# KiCad board HPM6E00ADCEVKRevC.kicad_pcb (continued)
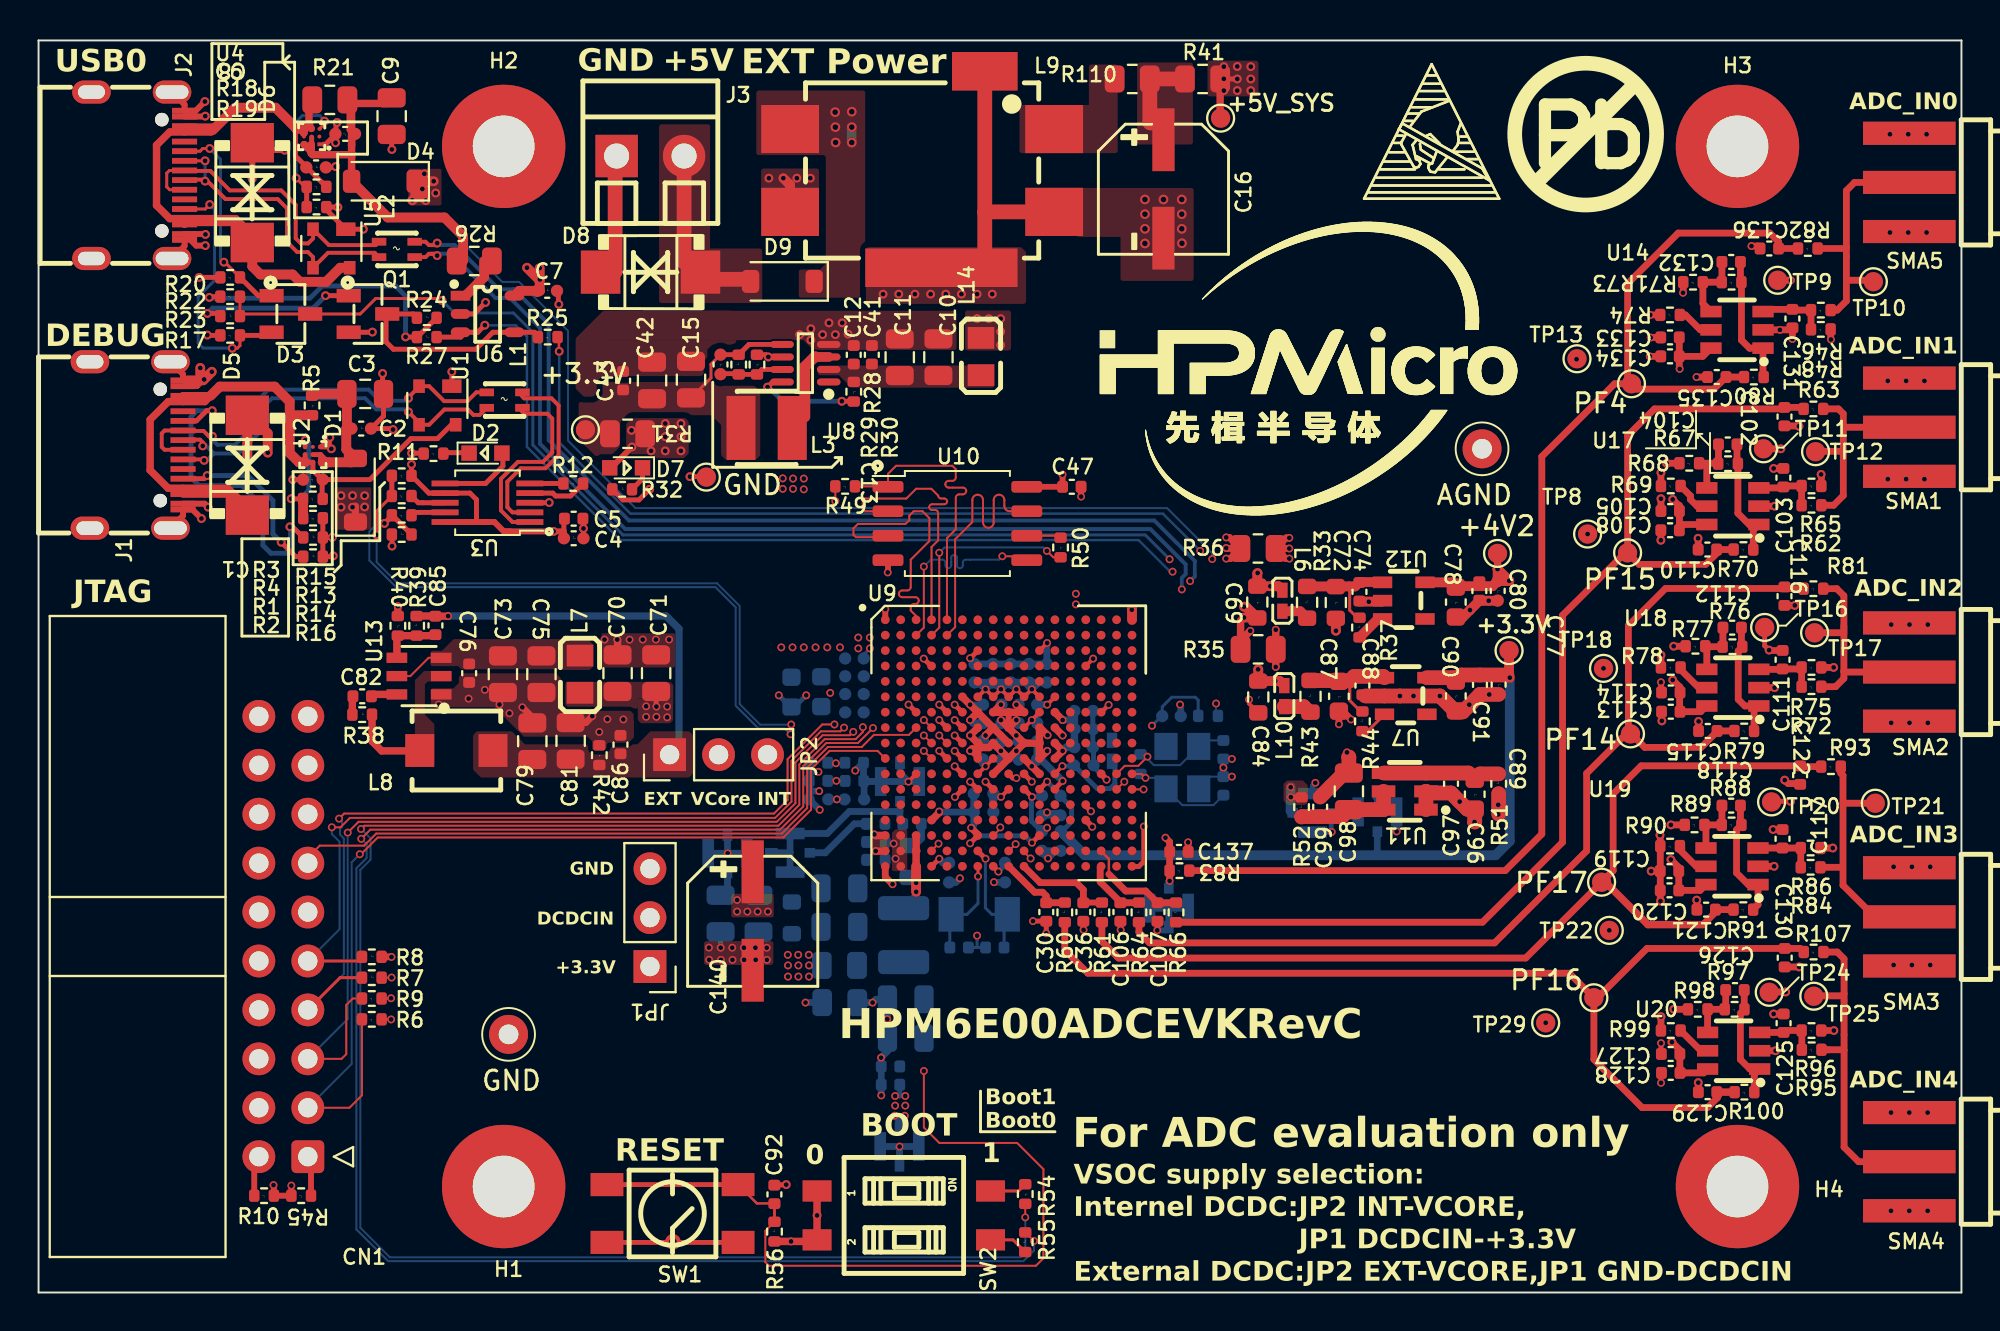
[diagram p0: board, top side]
## Via types (continued)
v4: diameter 0.457, hole 0.3, Top to Bottom, 1 via
v5: diameter 0.8, hole 0.4, Top to Bottom, 1 via

## Routing (per net, layer and track width the routed paths; a pad name or vN(x,y) marks a point on that pad's centre or on a via; arc(x,y) is an arc through that point)
5V_Debug: length 37.6
  Top w0.254: U2.C2 U2.C3 U2.B3 14.23,42.68 14.71,42.2 ; 14.71,42.2 17.19,42.2 19.32,44.33 20.7,44.33 21.42,45.05 U1.4 ; 14.71,42.2 14.71,41.23 R3.1
  Top w0.381: J1.A9 10.12,41.45 10.83,40.74 9.82,41.75 J1.B4 6.73,41.75 5.79,42.69 5.79,45.31 6.73,46.25 8.62,46.25 8.93,46.56 7.5,46.56 7.49,46.55
  Top w0.508: R5.2 13.15,45.54 ; 8.93,46.56 9.4,47.03 12.25,47.03 13.03,46.25 13.03,43.58 13.51,43.1 U2.C3
5V_SYS: length 7.9
  Top w0.254: R41.2 v1(62.19,63) ; v2(32.05,30.42) 32.04,30.43 C71.1
  Top w0.381: R41.2 61.3,60.94
  Top w0.508: v2(63.27,32.35) 63.28,32.34 C84.1 64.39,31.74 L10.1 ; v2(63.25,37.35) 63.23,37.33 C69.1 64.32,36.67 L6.1
  vias: v1(48.69,50.56) v1(49.3,50.56) v1(49.92,50.56) v1(49.91,49.88) v1(49.91,49.19) v1(61.49,63.64) v1(61.49,63.01) v1(61.49,62.4) v1(62.19,63.65) v1(62.19,62.4) v1(62.89,63.64) v1(62.89,63) v1(62.89,62.4) v2(31.52,30.43) v2(31.52,29.88) v2(32.05,29.88) v2(32.61,30.42) v2(32.61,29.86) v2(38.61,42.27) v2(38.61,41.72) v2(39.14,42.25) v2(39.14,41.72) v2(39.7,42.25) v2(39.7,41.7) v2(63.91,36.67) v2(64.16,31.74)
+1V2: length 20.5
  Top w0.381: v2(21.25,35.12) 21.24,35.11 C85.1 20.58,35.12 R39.2
  Bottom w0.381: 32.95,27.92 33.22,28.19 33.22,34.46 32.56,35.12 v2(21.25,35.12)
+3.3V: length 70.1
  Top w0.102: R49.2 41.34,41.09 v2(41.34,41.09) ; v2(18.29,14.17) 18.28,14.18 R6.1 ; R7.2 18.31,16.34 v2(18.31,16.35) ; v2(18.29,15.28) 18.28,15.26 R9.1
  Top w0.203: 48.73,30.92 v2(49.13,31.32) 49.53,30.92 v2(49.93,31.32) 50.33,30.92 v2(50.73,31.32) 51.13,30.92 v2(51.53,31.32) 51.93,30.92
  Top w0.25: v1(8.86,51.66) 8.9,51.7 R22.2 ; R15.1 v1(19.35,42.99) ; R27.1 19.05,49.6 v1(19.04,49.61) ; 27.25,40.17 C4.1
  Top w0.254: U3.10 22.72,40 22.72,41.16 22.38,41.5 U3.7 20.25,41.5 R15.1 ; 47.93,28.52 v2(47.53,28.92) ; R16.1 18.34,39.34 v1(18.34,38.75) ; 47.93,29.32 v2(47.53,29.72) ; 47.93,30.12 v2(47.53,30.52) ; 47.93,27.72 v2(47.53,28.12) ; v2(49.8,21.85) 49.53,22.12 ; R27.1 19.65,49.6 R24.2 ; 46.33,22.12 v2(46.73,22.52) ; 27.25,39.51 C4.1
  Top w0.3: U10.8 C47.1 53.13,42.46 v2(53.12,42.46) ; v2(12.19,5.58) 12.21,5.56 R10.1 R45.2 v2(13.11,5.55) ; v1(30.79,43.89) 29.71,42.81 D7.2
  Top w0.305: 22.72,40 23.24,40 ; 23.24,40 U3.10 ; 23.24,40 23.65,40 24.14,39.51 24.46,39.51 ; 24.46,39.51 27.25,39.51 ; 24.46,39.51 24.23,39.51
  Top w0.381: 40.3,2.64 SW2.2 ; SW2.2 v1(40.39,4) SW2.1 ; SW2.2 40.31,2.65 v2(39.04,2.65) R56.1 ; 52.73,30.12 v2(53.13,29.72) ; 52.73,27.72 v2(53.13,28.12) 52.73,28.52
  In2.Cu w0.152: v2(43.13,34) 43.13,34 v2(43.13,33.44)
  In2.Cu w0.203: v2(42.53,34) 42.53,34 v2(42.53,33.44)
  In2.Cu w0.254: v2(42.53,33.44) v2(43.13,33.44)
  In2.Cu w0.349: 25.91,39.56 26.67,39.56 v1(26.72,39.51)
  Bottom w0.152: v2(43.13,33.44) 42.81,33.12 C45.1
  Bottom w0.25: v1(19.04,49.61) 19.04,51.73 18.52,52.25 14.71,52.25 14.08,51.62 8.9,51.62 v1(8.86,51.66)
  Bottom w0.254: v2(49.8,21.85) 50.14,22.19 C57.1
  Bottom w0.381: v2(46.73,22.52) 46.94,22.31 C56.2 ; C50.1 49.58,31.67 v2(49.93,31.32) 50.28,31.67 C49.1 ; C50.1 C49.1 ; C50.1 C48.1 48.78,31.67 v2(49.13,31.32) 49.48,31.67 C50.1 ; C51.1 C52.1 51.88,31.67 v2(51.53,31.32) 51.38,31.46 C51.1 ; C51.1 C49.1 ; C49.1 50.44,31.61 v2(50.73,31.32) ; 53.74,29.72 53.73,29.72 v2(53.13,29.72) ; 53.74,29.72 C53.1 53.32,28.31 v2(53.13,28.12) ; 53.74,29.72 C54.1
  vias: v1(30.76,44.76) v1(31.78,43.69) v1(32.51,45.11) v1(32.51,44.43) v1(32.51,43.69) v1(33.33,45.11) v1(33.33,44.43) v1(33.33,43.69) v2(53.81,36.28) v2(53.81,35.72)
+3.3VA: length 44.1
  Top w0.254: 51.93,26.12 U9.M11 v2(52.32,26.52)
  Top w0.508: C89.1 76.18,32.07 ; 76.18,32.07 76.29,32.17 TP6.1 ; 76.18,32.07 v2(76.33,31.92)
  Top w0.762: U7.5 73.4,31.92 73.53,31.79 73.79,32.06 76.17,32.06 76.18,32.07
  Bottom w0.254: 53.03,23.88 53.59,24.44 53.59,25.19 53.04,25.74 53.04,25.81 v2(52.32,26.52)
  Bottom w0.349: 69.34,22.7 69.46,22.82 W7.1
  Bottom w0.508: C24.1 54.28,22.7 75.59,22.7 76.33,23.43 v2(76.33,31.92)
+4V_OPA: length 24.9
  Top w0.349: U18.6 86.53,30.45 86.23,30.15 C113.1 85.14,30.17 85.14,31.45 ; 85.15,11.64 85.39,11.4 86.39,11.4 U20.6 ; U17.6 85.15,39.87 85.12,39.89 85.13,39.9 85.13,40.87 ; C134.1 85.12,47.97 v2(85.14,47.95) ; C134.1 86.34,48.6 U14.6 ; C134.1 C133.1 ; v1(84.68,22.47) 85.09,22.06 C119.1 C120.1 86.2,20.88 U19.6 ; C128.1 85.15,11.41 C127.1 85.15,12.59 v1(84.74,13) ; C105.1 85.13,40.82 v1(84.78,41.17) ; C114.1 85.16,31.42 v1(84.78,31.8)
  Top w0.381: TP5.1 v2(75.69,37.56)
  Top w0.508: C77.1 75.43,36.67 73.53,36.67 73.33,36.87 U12.5 ; C77.1 75.7,37.55 v2(75.69,37.56) v2(76.3,36.95) 76.29,36.93 C77.1
  Top w0.762: R51.1 75.75,24.84
  vias: v2(75.73,25.32) v2(75.73,24.82)
+5V: length 8.8
  Top w0.254: v1(26.01,52.59) 26.01,52
  Top w0.381: 16.44,40.82 D1.1
  Top w0.508: v1(19.39,56.7) 19.54,56.85 D4.1 ; U6.5 24.94,52 26.01,52 26,52.01 v1(26,53.18) ; v1(26.01,52.59) 25.95,52.59 v1(25.34,53.2) ; D4.1 v1(20.5,57.69) ; D4.1 19.99,57.24 19.99,56.8
  Bottom w0.508: v3(42.19,60.5) v3(42.19,59.7)
  vias: v1(15.69,41.37) v1(15.69,40.77) v1(16.29,41.37) v1(16.29,40.77) v1(16.92,41.37) v1(16.92,40.78) v1(19.91,57.29) v1(20.02,58.08) v1(20.09,56.69) v1(20.6,57.08) v3(41.33,61.28) v3(41.34,60.5) v3(41.35,59.7) v3(42.19,61.3)
GND: length 179
  Top w0.152: 51.93,23.72 51.92,23.72
  Top w0.203: 14.86,44.13 14.63,43.91 U2.A1 ; 14.86,44.13 v1(15.11,44.39) ; 14.86,44.13 14.94,44.05 ; 50.33,29.32 50.33,30.12 ; v1(15.11,44.39) 14.94,44.22 14.94,44.05 ; v1(15.11,44.39) 15.11,43.88 v1(15.19,43.8) 14.94,44.05 ; 51.93,33.32 U9.C11 v2(52.32,33.72) ; C84.2 62.8,30.57 v2(62.8,30.78) ; 55.13,30.12 v2(55.52,30.5) ; 48.73,27.72 v2(48.33,28.12) ; 45.53,26.92 45.53,26.92 v2(45.13,26.52) ; 54.33,32.52 U9.D14 v2(54.71,32.91) ; 50.33,27.72 v2(49.93,28.12) 49.96,28.09
  Top w0.25: 28.27,40.17 C4.2 ; R11.2 19.96,43.57 v1(19.36,43.57) ; U3.3 26.48,41 v1(26.49,41.01) ; SW1.1 SW1.2 ; 29.91,58.82 29.94,58.85
  Top w0.254: 48.73,23.72 v2(48.33,23.32) ; R17.2 8.77,49.69 v1(8.76,49.7) ; R4.1 R1.2 ; R1.2 v4(15.24,39.2) ; R1.2 R2.2 15.25,38.2 v1(15.29,38.24) ; 22.15,50.8 22.59,50.8 v1(23.19,51.4) ; v1(26.99,51.3) 26.97,51.32 26.97,52 ; 8.19,47.35 8.19,47.1 8.24,47.05 ; 8.19,47.35 8.54,47.35 8.24,47.05 ; 8.19,47.35 7.49,47.35 7.74,47.35 ; v1(17.32,49.86) 17.31,49.85 16.15,49.85 ; v1(15.41,58.45) 15.37,58.41 14.88,58.41 ; v1(31.7,41.7) 31.15,41.15 30.32,41.15 R32.1 ; 45.53,30.12 45.53,30.13 v2(45.14,30.52) ; 38.18,5.58 38.77,5.58 v1(38.79,5.6) ; v1(18.39,44.8) 18.34,44.85 17.18,44.85 ; v2(57.34,24.19) 57.34,22.38 57.08,22.12 56.73,22.12 ; v1(17.85,47.71) 17.85,46.7 C3.2 17.9,45.5 C2.2 ; R20.2 v1(8.33,52.7) ; 51.92,23.72 v2(51.54,23.35) ; v2(45.92,32.91) 46.31,32.52 46.33,32.52 ; v1(18.33,59.34) 18.32,59.35 C9.2 ; 15.43,60.15 14.89,59.61 14.77,59.61 ; 15.43,60.15 15.43,59.71 v1(15.41,59.69) ; 15.43,60.15 15.43,60.69 v1(15.49,60.74) ; R30.1 37.75,48.68 v1(37.86,48.57) U8.6 ; 8.24,47.05 7.49,47.05 ; v1(21.44,47.8) U1.1 ; v1(16.85,55.2) U5.1 14.93,56.21 R19.1 15.52,56.35 v1(15.53,56.34) ; v1(15.19,43.8) 15.09,43.9 U2.A1 ; v1(33.79,42.36) 34.62,42.36 TP7.1 ; v2(48.33,32.93) 48.34,32.93 48.73,33.32 ; 13.75,42.2 v1(13.19,42.2)
  Top w0.3: 43.93,34.92 v2(43.93,35.48) ; 55.13,26.92 55.41,26.64 v2(55.41,26.62) ; v2(44.06,37.38) 44.07,37.4 U10.4 ; 54.33,24.52 54.67,24.18 v2(54.67,24.17) ; C47.2 54.09,41.32 v2(54.09,41.32) ; 50.33,29.32 50.33,30.12
  Top w0.305: v1(8.66,54.93) 8.64,54.95 J2.B1 8.18,54.35 v1(8.65,54.35) ; v1(12.77,59.3) 12.76,59.31 11.09,59.31 11.09,57.83 v1(11.08,57.82) ; J2.1 7.58,61.67 J2.A1 8.15,61.35 v1(8.63,61.83) ; 7.49,40.95 8.62,40.95 v1(8.8,40.77) ; v1(8.65,61.07) 8.63,61.05 J2.B12 ; 10.83,43.18 v1(10.82,43.17) ; v1(8.45,40.18) 7.98,40.65 7.49,40.65 7.49,40.33 J1.2 ; 7.49,47.35 7.49,47.67 J1.1 ; J2.A12 7.58,54.33 J2.2
  Top w0.349: C81.2 28.4,29.59 v2(28.73,29.92) ; U9.U1 43.93,21.57 v2(44.3,21.19) ; v2(48.38,24.12) 48.73,23.78 48.73,23.72 ; v2(18.31,17.42) 18.3,17.42 R8.2 ; C79.2 25.62,29.86 v2(25.1,30.38) ; R36.1 61.78,39.2 v2(61.61,39.2) ; R36.1 61.64,38.62 v2(61.61,38.65) ; R36.1 61.83,38.1 v2(61.61,38.1)
  Top w0.381: 48.73,27.72 48.73,28.22 ; 48.73,28.22 48.73,28.52 ; 48.73,28.22 48.43,28.22 v2(48.33,28.12) ; 48.73,28.52 v2(48.33,28.92) 48.73,29.32 ; 48.73,28.52 48.95,28.29 49.3,28.29 49.53,28.52 ; v2(49.93,30.52) 49.53,30.12 51.13,30.12 v2(50.73,30.52) ; 49.53,28.52 50.33,27.72 ; 49.53,28.52 v2(49.93,28.12) ; 50.33,29.32 v2(49.93,29.72) ; 50.33,29.32 v2(50.73,28.92) 51.13,28.52 ; 50.33,29.32 v2(50.73,29.72) ; 51.13,28.52 v2(50.73,28.12) 50.33,27.72 ; 51.13,28.52 51.93,28.52 ; R40.1 18.64,35.63 v2(18.64,35.63) ; 50.33,27.72 49.53,26.92 ; v2(62.53,35.04) 62.36,34.87 R35.1 62.36,33.85 v2(62.86,34.35) ; 51.93,28.52 51.93,29.32 51.96,29.32 v2(52.35,28.93) ; 51.93,28.52 51.93,27.72 v2(52.33,28.12) ; 46.33,24.52 46.73,24.92 v2(46.73,24.97) ; C70.2 30.04,33.88 v2(30.02,33.9)
  Top w0.508: v2(62.53,35.6) 62.65,35.6 C69.2 63.2,35.04 v2(62.53,35.04) ; v2(56.72,35.45) 56.73,35.44 56.73,34.92 ; v1(38.64,57.85) 38.99,57.5 L9.3 ; 7.74,47.35 8.39,47.35 v1(8.39,48) ; 8.54,47.35 v1(8.99,47.8) ; v1(11.89,43.6) 11.89,44.6 11.33,45.16 10.83,45.16 10.83,43.18
  Top w0.762: 49.09,56.07 49.12,56.1 L9.4 ; 49.09,56.07 49.09,53.21 ; 49.09,56.07 L9.5 ; 29.91,52.99 29.91,58.82
  Bottom w0.102: 48.32,18.09 48.24,18.01 ; X1.2 60.82,26.78 C66.2 v2(61.47,27.25) C67.2
  Bottom w0.152: C94.2 C95.2 48.69,17.91 v2(48.69,18.53)
  Bottom w0.203: v2(61.91,26.78) C66.2 ; 61.95,27.7 C67.2
  Bottom w0.254: v2(55.52,30.5) 55.2,30.19 C54.2 54.7,29.26 C68.2 54.7,29.24 C53.2 54.73,28.28 C55.2 54.73,27.3 v2(55.41,26.62) ; v2(51.54,23.35) 51.18,23.71 48.72,23.71 v2(48.33,23.32) ; v2(48.33,32.93) 48.63,32.63 C50.2 ; C14.2 35.38,17.91 v2(35.39,17.9)
  Bottom w0.349: C61.2 42.8,26.57 C58.2 42.78,27.5 v2(42.37,27.09) ; C61.2 42.84,26.53 W6.2 45.12,26.53 v2(45.13,26.52) ; C61.2 42.83,26.53 C62.2 ; 39.99,26.03 C60.2 39.98,27.01 ; 39.99,26.03 v2(40.5,26.03) ; 39.99,26.03 39.99,25.63 C63.2 39.98,25.6 v2(40.53,25.06) ; v2(59.22,30.52) 59.25,30.49 C93.2 ; W2.2 v2(35.75,22.8) ; v2(35.75,22.8) 35.74,22.81 W2.4 ; v2(35.75,22.8) W2.3 ; v2(47.8,21.5) 47.59,21.29 C56.1 ; 43.66,7.58 v2(44.67,7.58) ; v2(44.67,7.58) 44.66,7.57 W3.4 ; v2(44.67,7.58) 45.66,7.58 ; v2(45.13,26.52) 45.13,26.53 W6.3 ; v2(45.13,26.52) 44.69,26.96 W6.4 ; C64.2 48.52,24.26 v2(48.38,24.12) ; C64.2 46.75,24.94 v2(46.73,24.97) ; C64.2 C65.2 ; R59.1 v2(39.79,15.05) ; R59.2 v2(43.27,15.05) 43.44,15.22 C21.2 44.04,14.2 v2(44.03,14.19) 44.04,14.18 C18.2 44.04,12.52 v2(43.71,12.19) 43.72,12.18 C23.2 C124.2 v2(43.72,10.23) ; C48.2 C52.2 52.31,33.71 v2(52.32,33.72) ; v2(40.46,27.03) 40,27.03 39.98,27.01 ; C57.2 49.57,21.29 v2(49.56,21.3) ; 39.98,27.01 39.98,27.5
  Bottom w0.381: v2(39.97,16.98) R85.1 ; C67.2 C66.2 ; C40.1 41.85,30.11
  vias: v1(8.59,47.4) v1(28.27,39.66) v1(37.89,57.85) v1(39.34,57.85) v1(39.48,49.73) v1(40.04,57.85) v1(40.07,50.03) v1(40.07,49.45) v1(40.68,49.73) v1(41.01,50.34) v1(41.34,49.73) v1(41.69,50.34) v1(42,49.75) v1(43.81,51.83) v1(44.63,51.83) v1(45.47,51.83) v1(46.28,51.83) v1(47.07,51.83) v1(47.88,51.83) v1(48.69,51.83) v1(49.48,51.83) v2(20.76,30.52) v2(22.31,30.83) v2(23.15,31.29) v2(23.91,30.52) v2(24.43,30.07) v2(29.09,29.1) v2(29.36,33.9) v2(29.51,29.76) v2(30.34,29.75) v2(30.66,33.89) v2(31.34,33.9) v2(32.03,33.9) v2(32.72,33.9) v2(34.78,17.91) v2(34.79,17.28) v2(35.4,17.27) v2(35.99,17.9) v2(36,17.27) v2(36.59,17.9) v2(36.6,17.27) v2(37.19,17.9) v2(37.2,17.27) v2(37.78,17.9) v2(37.79,17.27) v2(38.53,33.49) v2(38.87,17.53) v2(38.88,16.98) v2(38.88,16.4) v2(39.12,33.49) v2(39.41,17.53) v2(39.42,16.98) v2(39.42,16.4) v2(39.7,33.49) v2(39.96,17.53) v2(39.97,16.4) v2(40.31,33.49) v2(40.92,33.49) v2(41.58,33.49) v2(61.91,27.7) v3(57.4,56.74) v3(57.4,55.98) v3(57.4,55.22) v3(57.4,54.46) v3(58.36,56.74) v3(59.31,56.74) v3(59.31,55.98) v3(59.31,55.22) v3(59.32,54.47) v5(32.91,2.63)
GNDA: length 80.5
  Top w0.25: v1(89.78,33.35) 89.55,33.58 TP16.1 ; v1(90.89,25.5) 89.89,25.5
  Top w0.254: 84.17,11.4 84.17,10.89 v2(84.18,10.89) ; v2(84.18,12.94) 84.18,12.39 ; v2(50.73,26.71) 50.54,26.71 50.33,26.92 ; v2(52.28,18.65) C30.2 52.27,19.28 v2(51.59,19.28) ; 51.13,26.92 v2(51.53,26.52)
  Top w0.3: v2(58.04,18.8) 58.05,18.81 C107.2 ; C36.2 54.2,18.84 v2(54.21,18.83) ; v2(56.14,18.83) 56.13,18.84 C106.2 ; 84.17,31.15 84.17,31.68 v2(84.17,31.68)
  Top w0.349: U14.2 v2(90.34,49.97) 90.89,49.97 ; C130.2 v1(91.34,16.9) ; v1(92.48,42.47) 92.49,42.46 R65.1 ; C121.2 86.03,20.36 v1(86.03,20.37) ; v1(84.15,20.32) 84.13,20.33 C119.2 ; v1(89.99,24.03) C117.2 ; v1(91.33,44.97) 91.31,44.99 C102.2 ; v2(68.09,29.75) 67.66,30.18 C87.2 67.46,29.5 v2(67.46,29.5) ; v1(86.12,29.65) 86.12,29.64 C115.2 ; R86.1 v1(93.08,23.08) ; v2(64.89,38.1) 64.7,38.1 R36.2 ; v1(84.17,42.56) R69.2 ; v1(86.11,10.9) 86.11,10.89 C129.2 ; R77.2 v1(84.83,33.55) ; v1(84.22,29.67) 84.2,29.69 C113.2 ; C119.2 v1(83.66,21.88) ; C119.2 R90.2 84.13,23.73 v1(84.12,23.75) ; v1(89.78,33.35) 89.8,33.33 C111.2 ; C137.2 59.64,22.88 v2(59.64,23.37) ; 89.59,43.8 v1(90.39,43.8) ; v1(84.17,33.09) R78.2 ; v1(86.1,39.15) 86.1,39.15 C110.2 ; 84.16,40.86 84.17,40.87 ; R36.2 64.73,39.17 v2(64.89,39.17) ; R36.2 v2(64.89,38.62) ; v1(84.17,39.05) 84.16,39.05 C108.2 ; v2(83.64,49.58) 83.65,49.58 C133.2 ; R98.2 v1(84.84,14.7) ; R48.1 92.98,49.49 v2(92.99,49.47) ; C105.2 v1(84.17,41.21) ; R89.2 v1(84.68,24.28) ; U18.2 v1(90.06,31.4) ; C136.2 89.18,54.33 v2(88.86,54.33) ; v1(90.59,26.6) 90.77,26.42 91.39,26.42 ; U19.2 v1(90.04,22.12) ; R75.1 v1(93.13,32.45) ; v1(90.02,14.46) C125.2 ; U17.2 v1(90.06,40.82) ; v2(85.31,51.9) 85.33,51.91 R73.2 ; v2(90.99,49.5) C131.2 ; v2(90.92,52.55) TP9.1 ; v1(84.17,14.32) R99.2 ; R74.2 v2(83.61,50.75) ; v1(91.11,35.67) C116.2 ; v1(90.02,42.78) C103.2 ; 89.79,15.6 v1(90.64,15.6) ; C134.2 v2(83.59,48.6) ; R68.2 v1(84.46,43.05) ; C135.2 v2(86.02,47.53) ; R96.1 v1(93.14,13.6) ; U20.2 v1(90.11,12.55)
  Top w0.381: v2(64.19,32.48) R35.2 v2(64.19,34.41)
  Top w0.508: U12.2 69.68,35.87 68.53,35.87 ; C77.2 75.69,35.91 v2(75.23,35.91) 74.75,35.91 v2(74.26,35.43) 73.85,35.02 73.53,35.02 ; C72.2 67.3,34.36 v2(67.31,34.36)
  Top w0.762: 66.49,25.72 67.74,26.97 C98.2 67.98,27.79 67.97,27.8 ; 68.83,30.97 U7.2 v2(70.63,30.97) v2(72.7,30.97) 73.53,30.14 73.88,30.14 74.79,31.05 C89.2 ; U11.1 U11.2 72.06,25.93 C97.2 v2(73.73,25.48) 74.12,25.09 C96.2 74.51,24.43 v2(74.5,24.42)
  Bottom w0.203: 67.82,28.1 v2(67.88,28.04) ; 66.21,26.48 v2(66.24,26.46)
  Bottom w0.254: v2(66.24,26.46) 66.09,26.31 W8.2 ; v2(52.37,22.53) 52.8,22.96 53.03,22.96 ; 52.06,22.85 52.06,22.96 ; v2(52.32,24.93) 52.88,24.93 53.03,24.78 ; W8.4 67.06,23.94 v2(67.09,23.91) 67.08,23.9 W8.3
  Bottom w0.3: W5.4 58.46,18.8 v2(58.04,18.8)
  Bottom w0.349: 69.34,24.95 W7.3 v2(70.46,23.93) ; 69.34,24.95 W7.2 ; 69.34,24.95 69.46,25.07 W7.4 ; W5.4 58.64,19.89 58.7,19.95 ; 58.7,19.95 W5.2 ; 58.7,19.95 W5.3 ; C27.2 C29.2 ; 52.77,22.93 C24.2 C32.2 52.06,22.85 v2(52.37,22.53) 52.77,22.93
  vias: v1(78.19,14) v1(80.36,39.38) v1(81.19,32.4) v1(81.49,18.8) v1(95.94,47.33) v1(95.94,42.22) v1(96.05,60.13) v1(96.05,55.03) v1(96.11,34.67) v1(96.11,29.58) v1(96.11,9.34) v1(96.11,4.24) v1(96.24,22.1) v1(96.24,17) v1(96.89,47.33) v1(96.89,42.22) v1(97,60.13) v1(97,55.03) v1(97.06,34.67) v1(97.06,29.58) v1(97.05,9.34) v1(97.05,4.24) v1(97.19,22.1) v1(97.19,17) v1(97.84,47.33) v1(97.84,42.22) v1(97.95,60.13) v1(97.95,55.03) v1(98.02,34.67) v1(98.02,29.58) v1(98,9.34) v1(98,4.24) v1(98.14,22.1) v1(98.14,17) v2(69.02,35.86) v2(71.33,30.97) v2(74.23,30.52) v2(75.26,31.04) v2(79.79,48.45)
VBUS: length 78.5
  Top w0.254: U4.A2 14.17,59.97
  Top w0.381: 16.17,61.73 16.17,60.37 16.39,60.15 16.24,60 16.24,59.56 ; 16.17,61.73 16.24,61.66 16.24,59.56 ; 16.17,61.73 18.03,61.73 C9.1 ; 14.15,59.14 14.15,59.23 13.79,59.59 13.77,59.59 ; 14.15,59.14 14.22,59.07 16.13,59.07 16.24,58.96 ; 14.15,59.14 14.15,59.61 ; D4.2 16.24,58.96 ; 16.24,58.96 16.24,59.56
  Top w0.508: D4.2 18.12,55.81 21.06,55.81 v3(22.03,54.84) 22.03,53.55
  In2.Cu w0.102: v2(61.09,30.58) 60.86,30.8 60.86,38.05 v2(60.89,38.08)
  Bottom w0.102: v2(61.09,30.58) 61.08,30.57 61.08,29.88 ; v2(60.89,38.08) 60.89,38.38 58.55,40.72 30.97,40.72 27.47,44.22 27.47,49.92 24.92,52.47 24.05,52.47 22.03,54.49 v3(22.03,54.84)
  Bottom w0.203: 61.08,29.88 61.18,29.78
VDD_SOC: length 18
  Top w0.203: 52.73,30.92 v2(52.33,30.52) ; 49.53,27.72 v2(49.13,27.32) 48.73,26.92 ; 51.93,26.92 v2(51.53,27.32) 51.13,27.72 ; 51.13,29.32 v2(51.53,29.72) 51.93,30.12
  Top w0.254: 52.73,26.12 52.73,26.15 v2(53.13,26.55)
  Top w0.381: 48.73,30.12 v2(48.33,29.72) ; 48.73,30.12 v2(48.33,30.52) 47.93,30.92 ; 48.73,30.12 49.53,29.32 ; 49.53,29.32 50.33,28.52 ; 49.53,29.32 v2(49.13,28.92) ; 51.13,27.72 51.93,26.92
  In2.Cu w0.203: v2(53.13,26.55) 53.13,26.57
  Bottom w0.254: v2(39.83,31) 39.22,30.39 C38.1 39.01,30.39 v2(38.4,31)
  Bottom w0.3: C37.1 v2(48.33,30.52)
  Bottom w0.381: v2(49.13,28.92) 49,28.79 C35.1 ; v2(52.33,30.52) C33.1 ; C31.1 49,27.45 v2(49.13,27.32) ; C101.1 48.48,29.57 v2(48.33,29.72) ; C100.1 52.01,27.67 v2(53.13,26.55) ; C100.1 51.81,27.6 v2(51.53,27.32) ; C100.1 C83.1
  vias: v2(41.07,31.13)
/HPM6E00ADCEVKRevC MAINENTRY/ADC_Signal_IN/IN0: length 11.8
  Top w0.349: R63.1 93.38,45.87 93.63,45.62 93.63,43.67 ; R62.1 93.13,40.87 93.63,41.37 93.63,43.67 ; 93.63,43.67 91.98,43.67 ; SMA1.5 93.67,44.92
/HPM6E00ADCEVKRevC MAINENTRY/ADC_Signal_IN/IN1: length 12.3
  Top w0.349: 93.66,32.25 93.7,32.21 SMA2.5 ; 93.66,32.25 93.66,34.6 ; 93.66,32.25 93.66,31.88 93.23,31.45 R72.1 ; 93.66,34.2 93.66,36.17 93.29,36.54 R81.1 ; 91.98,34.25 93.61,34.25
/HPM6E00ADCEVKRevC MAINENTRY/ADC_Signal_IN/IN2: length 13.1
  Top w0.349: R93.1 93.5,26.96 93.61,26.84 93.61,21.14 95.25,19.5 SMA3.5 ; TP21.1 93.61,25.4 ; 93.59,22.08 R84.1
/HPM6E00ADCEVKRevC MAINENTRY/ADC_Signal_IN/IN3: length 18
  Top w0.349: 93.67,15.5 93.57,15.4 91.99,15.4 ; 93.67,15.5 93.67,17.32 93.32,17.67 R107.1 ; 93.67,15.5 93.67,12.58 ; 93.67,12.58 93.65,12.6 R95.1 92.89,12.6 ; 93.67,12.58 93.67,7.54 94.42,6.79 SMA4.5
/HPM6E00ADCEVKRevC MAINENTRY/ADC_Signal_IN/IN4: length 12.6
  Top w0.349: TP10.1 95.11,52.55 93.79,52.55 ; 93.79,54.25 93.79,52.55 ; 93.79,54.25 93.79,57.2 94.21,57.63 96.52,57.63 ; 93.79,54.25 93.74,54.2 R82.1 ; 93.79,52.55 93.79,51.48 93.31,51 R46.1
/HPM6E00ADCEVKRevC MAINENTRY/DEBUG/DN1: length 22.2
  Top w0.2: v1(9.02,44.45) 8.84,44.45 8.56,44.72 8.02,44.72 7.99,44.75 6.54,44.75 6.39,44.6 6.39,43.9 6.54,43.75 7.49,43.75 ; L1.1 22.71,46.73 22.25,46.28 21.04,46.28 20.27,47.05 U1.2 19.74,47.02 19.19,46.47 v1(19.19,46.42)
  Bottom w0.2: v1(9.02,44.45) 9.02,44.27 9.28,44.01 10.19,44.01 11.22,45.04 11.22,46.17 11.93,46.88 17.12,46.88 17.7,46.3 19.06,46.3 v1(19.19,46.42)
/HPM6E00ADCEVKRevC MAINENTRY/DEBUG/DP1: length 21
  Top w0.2: 7.49,44.25 7.99,44.25 8.02,44.28 8.38,44.28 8.52,44.13 v1(8.52,43.95) ; 7.49,43.25 8.54,43.25 v1(8.59,43.2) ; v1(19.19,45.72) 19.74,45.17 U1.3 20.27,45.05 21.06,45.84 22.28,45.84 22.56,45.56 22.88,45.56 L1.4
  Bottom w0.2: 9.1,43.56 8.7,43.95 v1(8.52,43.95) ; 9.1,43.56 8.74,43.2 v1(8.59,43.2) ; 9.1,43.56 10.37,43.56 11.67,44.86 11.67,45.99 12.11,46.42 16.94,46.42 17.52,45.84 19.06,45.84 v1(19.19,45.72)
/HPM6E00ADCEVKRevC MAINENTRY/DEBUG/USB2UART_N: length 10.5
  Top w0.203: U3.2 24.59,40.5 24.32,40.77 24.32,42.09 25.02,42.79 26.3,42.79 26.98,43.47 26.98,46.05 26.61,46.42 25.19,46.42 25.07,46.55
/HPM6E00ADCEVKRevC MAINENTRY/DEBUG/USB2UART_P: length 10.1
  Top w0.203: 25.07,45.75 25.2,45.62 26.4,45.62 26.65,45.37 26.65,43.61 26.16,43.12 24.87,43.12 23.99,42.24 23.99,40.6 24.59,40 U3.1
/HPM6E00ADCEVKRevC MAINENTRY/MCU_PB&FLASH/CS0: length 15.9
  Top w0.102: R49.1 44.05,41.85 U10.1 44.07,42.5 44.49,42.92 47.41,42.92 47.59,42.74 47.59,42.31 arc(47.53,42.19) 47.41,42.14 47.22,42.14 arc(47.09,42.08) 47.04,41.96 arc(47.09,41.84) 47.22,41.79 47.95,41.79 arc(48.08,41.73) 48.13,41.61 arc(48.08,41.49) 47.95,41.44 47.76,41.44 arc(47.64,41.38) 47.59,41.26 47.59,39.62 47.13,39.16 47.13,34.92
/HPM6E00ADCEVKRevC MAINENTRY/MCU_PB&FLASH/D0: length 11.1
  Top w0.102: U10.5 51.07,38.22 v2(50,38.22) ; v2(45.93,37.69) 45.93,34.52 45.53,34.12
  Bottom w0.102: v2(50,38.22) 49.82,38.04 48.1,38.04 arc(47.99,38) 47.95,37.89 47.95,37.75 arc(47.91,37.64) 47.8,37.6 arc(47.69,37.64) 47.65,37.75 47.65,38.16 arc(47.62,38.24) 47.54,38.27 47.46,38.27 arc(47.38,38.24) 47.35,38.16 47.35,37.75 arc(47.31,37.64) 47.2,37.6 arc(47.09,37.64) 47.05,37.75 47.05,37.89 arc(47.01,38) 46.9,38.04 46.28,38.04 v2(45.93,37.69)
/HPM6E00ADCEVKRevC MAINENTRY/MCU_PB&FLASH/D1: length 14.2
  Top w0.102: 46.33,34.92 46.33,38.7 46.67,39.05 46.67,40.47 arc(46.63,40.58) 46.52,40.62 46.36,40.62 arc(46.25,40.66) 46.21,40.77 arc(46.25,40.88) 46.36,40.92 46.99,40.92 arc(47.09,40.96) 47.14,41.07 arc(47.09,41.18) 46.99,41.22 46.82,41.22 arc(46.72,41.26) 46.67,41.37 46.32,41.73 45.53,41.73 45.02,41.22 42.86,41.22 42.76,41.12 42.76,40.68 42.89,40.56 U10.2
/HPM6E00ADCEVKRevC MAINENTRY/MCU_PB&FLASH/D2: length 14.2
  Top w0.102: U10.3 43.99,39.21 42.4,39.21 42.28,39.34 42.28,39.67 42.51,39.9 44.97,39.9 45.17,40.1 45.17,40.33 45.4,40.56 45.86,40.56 46.21,40.2 46.21,39.01 45.25,38.04 45.25,36.62 arc(45.2,36.5) 45.07,36.45 44.81,36.45 arc(44.68,36.39) 44.63,36.27 arc(44.68,36.15) 44.81,36.1 45.49,36.1 arc(45.61,36.04) 45.67,35.92 arc(45.61,35.8) 45.49,35.75 45.42,35.75 arc(45.3,35.69) 45.25,35.57 45.25,35.4 45.53,35.12 45.53,34.92
/HPM6E00ADCEVKRevC MAINENTRY/MCU_PB&FLASH/D3: length 14.1
  Top w0.102: 47.13,34.12 47.55,34.54 47.55,39.1 48.45,40 48.45,41.14 arc(48.53,41.34) 48.72,41.42 arc(48.92,41.34) 49,41.14 49,39.98 arc(49.08,39.78) 49.28,39.7 arc(49.47,39.78) 49.55,39.98 49.55,41.14 arc(49.63,41.34) 49.83,41.42 arc(50.03,41.34) 50.11,41.14 50.11,40.83 arc(50.19,40.64) 50.38,40.56 U10.7
/HPM6E00ADCEVKRevC MAINENTRY/MCU_PB&FLASH/SCLK: length 11.1
  Top w0.102: v2(52.31,38.5) 52.64,38.17 R50.2 ; v2(46.73,38.4) 46.73,34.52 46.33,34.12
  Bottom w0.102: v2(46.73,38.4) 47,38.68 52.13,38.68 v2(52.31,38.5)
/HPM6E00ADCEVKRevC MAINENTRY/MCU_POWER/T1: length 7
  Top w0.381: v2(45.53,21.27) 45.53,23.72
  Top w0.508: 45.53,21.6 v2(45.53,20.8) ; v2(45.53,21.27) 45.53,22.12
  Bottom w0.152: 46.14,19.95 L4.2
  Bottom w0.381: L4.2 45.53,20.6 v2(45.53,20.8) v2(45.53,21.27)
/HPM6E00ADCEVKRevC MAINENTRY/MCU_USB&OSC/RESETN: length 54.3
  Top w0.102: R56.2 37.71,3.2 37.71,1.58 37.9,1.39 51.74,1.39 52.13,1.78 52.13,6.4 50.77,7.76 46.73,7.76 45.93,8.57 45.93,11.5 v2(45.93,11.5) ; v2(46.69,23.3) 46.33,22.94 46.33,22.92
  Top w0.127: SW1.3 37.27,4.62 38.18,4.62
  Top w0.152: 38.18,4.62 R56.2
  Top w0.25: SW1.4 SW1.3
  In2.Cu w0.102: v2(45.93,11.5) 45.94,11.51 45.94,22.55 v2(46.69,23.3)
/HPM6E00ADCEVKRevC MAINENTRY/MCU_USB&OSC/RTC_XI: length 5.3
  Top w0.152: v2(48.74,21.6) 48.74,22.11 48.73,22.12
  Bottom w0.152: C95.1 47.28,19.57 X2.2 48.17,19.63 48.74,20.2 v2(48.74,21.6)
/HPM6E00ADCEVKRevC MAINENTRY/MCU_USB&OSC/RTC_XO: length 6.9
  Top w0.254: 48.73,22.92 v2(49.13,22.52)
  Bottom w0.152: C94.1 50.09,19.46 X2.1 49.46,19.63 49.12,19.97 49.12,22.51 v2(49.13,22.52) ; 50.83,19.72 50.13,19.72
/HPM6E00ADCEVKRevC MAINENTRY/PA0: length 43
  Top w0.102: 39.12,28.97 39.02,28.97 v2(39.01,28.98) ; 46.33,27.72 v2(45.93,28.12)
  Top w0.254: R14.2 18.35,40.35 R16.2 18.36,40.34 ; 18.36,40.34 v1(17.95,39.93) 18.36,40.34
  In2.Cu w0.102: v2(45.93,28.12) 45.6,28.12 45.21,28.51 39.48,28.51 v2(39.01,28.98)
  Bottom w0.102: v1(17.95,39.93) 17.59,39.93 17.16,39.5 17.16,38.01 18.55,36.62 35.12,36.62 36.17,35.57 36.17,30.46 37.36,29.28 38.72,29.28 v2(39.01,28.98)
/HPM6E00ADCEVKRevC MAINENTRY/PA1: length 43.1
  Top w0.152: v1(17.54,39.33) 17.54,40.56 R13.2 ; 18.33,41.11 R15.2
  Top w0.254: 47.13,27.72 v2(46.73,28.12) ; R15.2 R13.2
  In2.Cu w0.102: v2(46.73,28.12) 46.33,28.52 45.77,28.52 45.58,28.71 39.58,28.71 39.38,28.91 39.38,29.15 v2(39.05,29.49)
  Bottom w0.102: v1(17.54,39.33) 17.54,37.92 18.64,36.82 35.2,36.82 36.37,35.65 36.37,30.55 37.44,29.48 38.95,29.48 38.96,29.49 v2(39.05,29.49)
/HPM6E00ADCEVKRevC MAINENTRY/PA2: length 91.3
  Top w0.102: R55.2 51.2,3.12 v2(51.64,2.67) ; v2(16.74,23.55) 17.22,24.03 38.47,24.03 39.67,25.23 39.67,27.33 40.87,28.52 42.51,28.52 v2(43.29,29.3) ; v2(45.93,28.92) 46.33,28.52
  In2.Cu w0.102: v2(43.29,29.3) 43.68,28.92 v2(45.93,28.92)
  Bottom w0.102: v2(51.64,2.67) 51.64,2.17 51.09,1.62 18.14,1.62 16.49,3.28 16.49,22.03 17.02,22.56 17.02,23.27 v2(16.74,23.55)
/HPM6E00ADCEVKRevC MAINENTRY/PA3: length 93.5
  Top w0.102: 47.13,28.52 v2(46.73,28.92) ; v2(16.73,24.06) 16.9,24.23 38.38,24.23 39.47,25.32 39.47,27.41 40.78,28.73 42.39,28.73 42.77,29.1 v2(42.77,29.35) ; v2(51.19,3.9) R54.2
  In2.Cu w0.102: v2(46.73,28.92) 46.33,29.32 43.92,29.32 43.58,29.66 43.07,29.66 v2(42.77,29.35)
  Bottom w0.102: v2(51.19,3.9) 51.19,2.05 50.97,1.83 18.22,1.83 16.69,3.36 16.69,21.94 17.22,22.47 17.22,23.57 16.74,24.06 v2(16.73,24.06)